# Altium PCB RTM_SFP.PcbDoc (part 6 of 7) (continued)
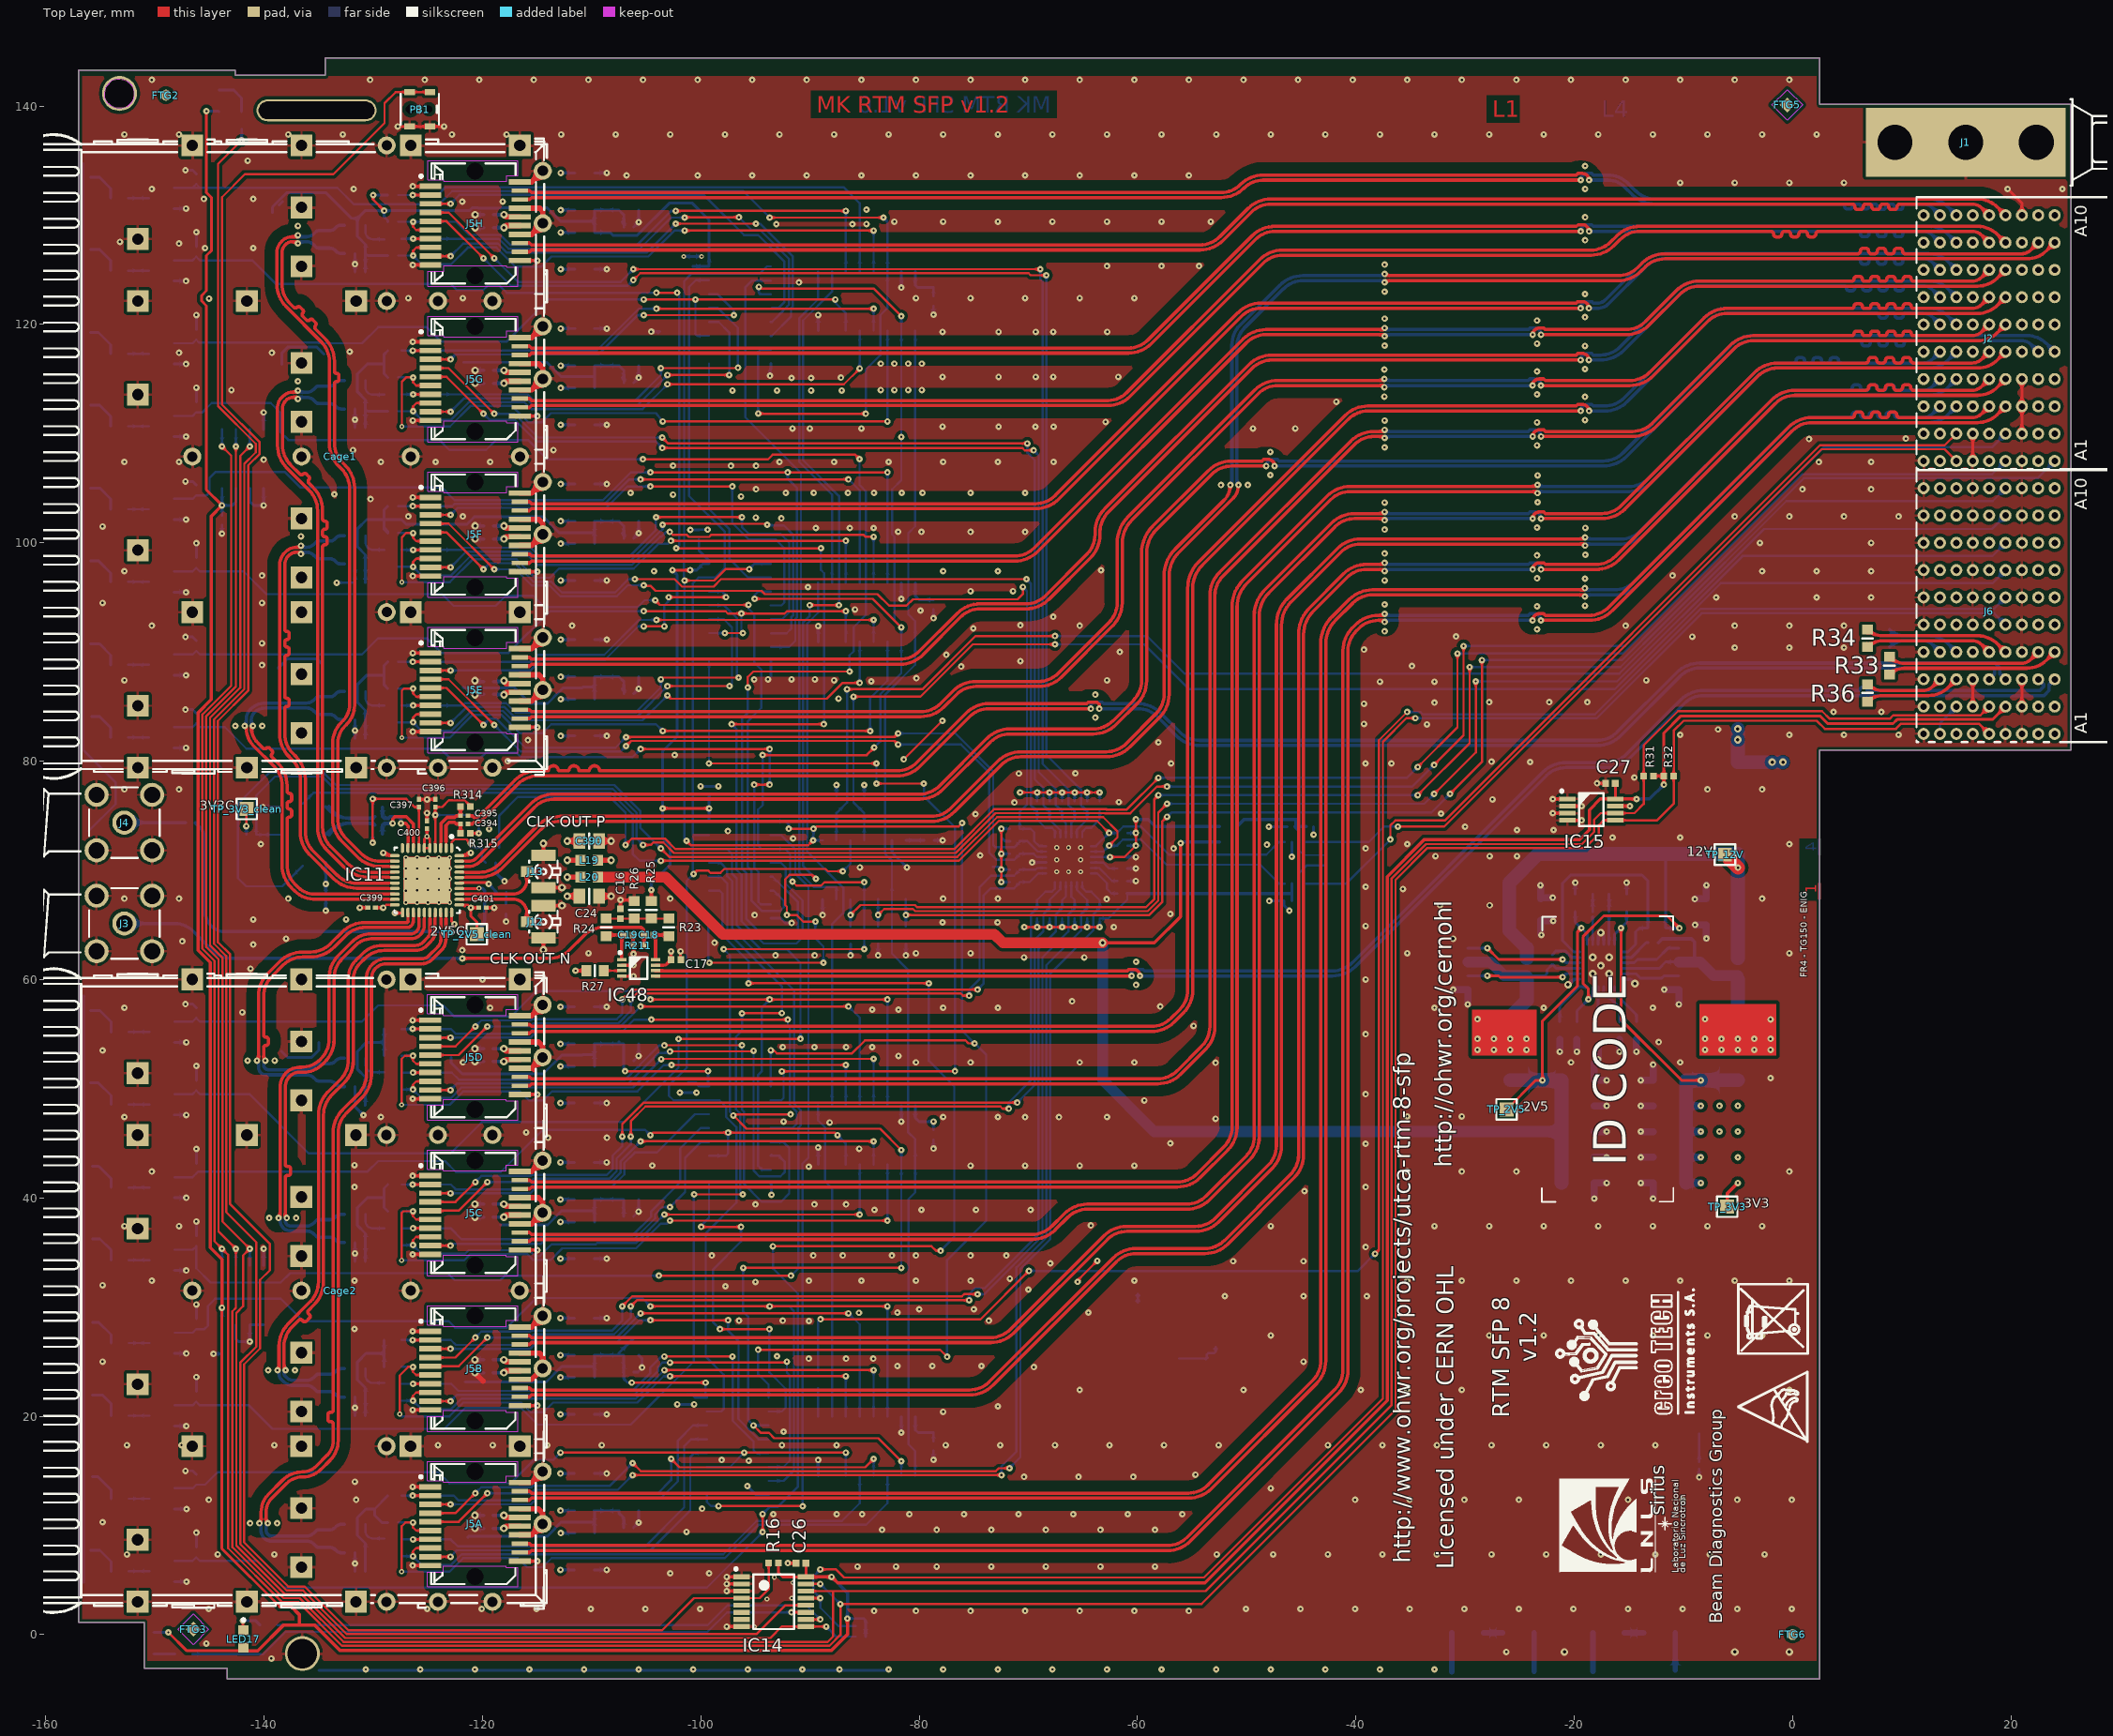
[diagram p0: Top Layer view]
## Nets (pads, with @x,y where several pads share a name; then routed paths per layer and width w, separated by ;. In a path a pad name is that pad's centre, name@x,y a point inside that pad or via, vN(x,y) a via of type N, cw(c..) or ccw(c..) an arc to the next point about the centre after c; other vN are vias at no path point) (continued)
SFP_LOS6: IC7.5 J5C.8 R404C.1 | length 51
  Top Layer w0.203: v1(-126.377,35.675) -126.377,36.121 -126.072,36.426 J5C.8@-124.79,36.426 ; v1(-103.35,38.477) v1(-85.45,38.477)
  Bottom Layer w0.203: -127.414,35.675 v1(-126.377,35.675) -125.592,34.89 -121.584,34.89 -121.263,35.211 -115.749,35.211 -115.211,34.672 -114.752,34.672 -113.685,35.739 -109.62,35.739 -109.5,35.859 -105.965,35.859 -103.35,38.475 v1(-103.35,38.477) ; v1(-85.45,38.477) IC7.5@-85.45,43.056
SFP_LOS7: IC9.13 J5B.8 R404B.1 | length 51.5
  Top Layer w0.203: v1(-126.377,21.425) -126.377,21.871 -126.072,22.176 J5B.8@-124.79,22.176 ; v1(-103.35,24.227) v1(-84.18,24.227)
  Bottom Layer w0.203: -127.414,21.425 v1(-126.377,21.425) -125.592,20.64 -122.891,20.64 -121.921,21.609 -107.08,21.609 -105.965,21.609 -103.35,24.225 v1(-103.35,24.227) ; IC9.13@-84.18,19.956 v1(-84.18,24.227)
SFP_LOS8: IC9.5 J5A.8 R404A.1 | length 49.3
  Top Layer w0.203: v1(-126.377,7.175) -126.377,7.621 -126.072,7.926 J5A.8@-124.79,7.926
  Bottom Layer w0.203: -127.414,7.175 v1(-126.377,7.175) -125.592,6.39 -122.891,6.39 -121.921,7.359 -97.945,7.359 -94.899,10.405 -87.085,10.405 -85.45,12.04 IC9.5@-85.45,14.556
SFP_RS0_1: IC3.5 R107H.2 | length 41.5
  Top Layer w0.203: v1(-101.48,129.79) -101.445,129.825 v1(-96.525,129.825)
  Bottom Layer w0.203: R107H.2@-123.715,127.85 -118.523,127.85 -117.607,126.935 -105.59,126.935 -102.735,129.79 v1(-101.48,129.79) ; v1(-96.525,129.825) -95.373,128.673 -94.598,128.673 -91.934,126.009 -91.934,123.473 -91.93,123.469 -91.93,121.801 -92.095,121.636 ; IC3.5@-93.6,120.24 -93.492,120.24 -92.78,120.951 -92.095,121.636
SFP_RS0_2: IC3.13 R107G.2 | length 36.1
  Top Layer w0.203: v1(-103.66,116) v1@-96.675,116
  Bottom Layer w0.203: R107G.2@-123.715,113.6 -115.882,113.6 -115.233,112.951 -106.082,112.951 -103.66,115.373 v1(-103.66,116) v1@-103.714,115.946 ; IC3.13@-99.25,121.51 -98.435,121.51 -96.6,119.675 v1(-96.6,116.025)
SFP_RS0_3: IC4.5 R107F.2 | length 44.2
  Top Layer w0.203: v1(-104.115,102.35) v1(-96.235,102.35)
  Bottom Layer w0.203: R107F.2@-123.715,99.35 -121.93,99.35 -121.724,99.556 -115.563,99.556 -114.707,98.701 -106.589,98.701 -104.115,101.175 v1(-104.115,102.35) ; v1(-96.235,102.35) -96.235,101.453 -95.594,100.813 -92.71,100.813 -91.913,100.016 -91.914,93.646 -92.558,93.001 IC4.5@-93.575,93.001
SFP_RS0_4: IC4.13 R107E.2 | length 37.9
  Top Layer w0.203: v1(-103.66,87.5) -103.51,87.65 v1(-96.545,87.65)
  Bottom Layer w0.203: R107E.2@-123.715,85.1 -121.833,85.1 -121.616,85.316 -117.836,85.316 -116.971,84.451 -105.989,84.451 -103.66,86.78 v1(-103.66,87.5) ; IC4.13@-99.25,94.271 -97.878,94.271 -96.705,93.098 -96.705,87.81 v1(-96.545,87.65)
SFP_RS0_5: IC6.5 R107D.2 | length 53.1
  Top Layer w0.203: v1(-103.35,53.97) -103.343,53.978 v1(-96.23,53.978)
  Bottom Layer w0.203: R107D.2@-123.729,51.47 -122.81,51.47 -122.161,50.821 -106.959,50.821 -106.737,51.043 -106.714,51.043 -106.39,51.368 -106.39,51.39 -105.804,51.976 -105.735,51.976 -105.586,52.125 -105.586,52.194 -103.81,53.97 v1(-103.35,53.97) ; v1(-96.23,53.978) -96.23,48.062 -96.04,47.872 -96.04,41.262 -94.44,39.662 -92.648,39.662 -91.911,40.4 -91.911,44.565 -92.467,45.121 IC6.5@-93.6,45.121
SFP_RS0_6: IC6.13 R107C.2 | length 31.2
  Bottom Layer w0.203: R107C.2@-123.729,37.22 -122.93,37.22 -121.929,36.219 -114.852,36.219 -114.5,36.571 -106.259,36.571 -104.545,38.285 -104.545,38.774 -101.905,41.415 -101.905,44.501 -100.014,46.391 IC6.13@-99.25,46.391
SFP_RS0_7: IC8.5 R107B.2 | length 39.4
  Top Layer w0.203: v1(-103.35,25.47) -103.342,25.479 v1(-97.1,25.479)
  Bottom Layer w0.203: R107B.2@-123.729,22.97 -122.86,22.97 -122.211,22.321 -106.259,22.321 -104.63,23.95 -104.63,24.465 -103.625,25.47 v1(-103.35,25.47) ; v1(-97.1,25.479) -97.1,19.6 -95.175,17.675 -95.175,16.895 -94.901,16.621 IC8.5@-93.8,16.621
SFP_RS0_8: IC8.13 R107A.2 | length 31.9
  Bottom Layer w0.203: R107A.2@-123.729,8.72 -122.91,8.72 -122.261,8.071 -105.104,8.071 -101.525,11.65 -101.525,17.25 -100.884,17.891 IC8.13@-99.45,17.891
SFP_RS1_1: IC3.6 J5H.9 | length 44.5
  Top Layer w0.203: J5H.9@-124.775,126.256 v1(-122.924,126.256) ; v1(-102.31,129.227) v1(-94.965,129.227)
  Bottom Layer w0.203: v1(-122.924,126.256) -121.771,127.409 -118.584,127.409 -117.754,126.579 -104.958,126.579 v1(-102.31,129.227) ; v1@-94.95,129.225 -94.57,129.225 -91.575,126.23 -91.575,124.083 -91.579,124.079 -91.579,123.621 -91.575,123.617 -91.575,121.654 -91.74,121.489 -91.74,120.721 -93.516,118.945 IC3.6@-93.6,118.945
SFP_RS1_2: IC3.12 J5G.9 | length 35.5
  Top Layer w0.203: J5G.9@-124.775,112.006 v1(-122.924,112.006) ; v1(-103.06,115.37) v1@-97.4,115.37
  Bottom Layer w0.203: v1(-122.924,112.006) -121.686,113.244 -116.029,113.244 -115.38,112.595 -105.835,112.595 v1(-103.06,115.37) ; IC3.12@-99.25,120.24 -98.371,120.24 -97.4,119.269 v1(-97.4,115.375)
SFP_RS1_3: IC4.6 J5F.9 | length 47
  Top Layer w0.203: J5F.9@-124.775,97.756 v1(-122.924,97.756) ; v1(-103.51,101.663) -103.414,101.759 -99.147,101.759 -99.135,101.747 -94.014,101.747 v1(-93.929,101.663)
  Bottom Layer w0.203: v1(-122.924,97.756) -121.479,99.201 -115.71,99.201 -114.854,98.345 -106.442,98.345 -103.695,101.093 -103.624,101.093 -103.51,101.206 v1(-103.51,101.663) ; v1(-93.929,101.663) -93.869,101.603 -92.405,101.603 -92.403,101.605 -91.558,100.76 -91.558,93.35 -91.705,93.202 -91.705,92.163 -92.148,91.719 -93.563,91.719 IC4.6@-93.575,91.731
SFP_RS1_4: IC4.12 J5E.9 | length 37.4
  Top Layer w0.203: J5E.9@-124.775,83.506 v1(-122.924,83.506) ; v1(-103.06,86.87) -103.048,86.882 v1(-97.384,86.882)
  Bottom Layer w0.203: v1(-122.924,83.506) -121.469,84.961 -117.984,84.961 -117.118,84.095 -105.835,84.095 v1(-103.06,86.87) ; IC4.12@-99.25,93.001 -97.904,93.001 -97.15,92.247 -97.15,87.115 v1(-97.384,86.882)
SFP_RS1_5: IC6.6 J5D.9 | length 47.9
  Top Layer w0.203: J5D.9@-124.79,49.876 v1(-122.938,49.876) ; v1(-102.83,53.41) -102.816,53.424 -95.226,53.424 v1(-95.175,53.475)
  Bottom Layer w0.203: v1(-122.938,49.876) -122.349,50.465 -106.671,50.465 -103.854,53.281 -102.959,53.281 v1(-102.83,53.41) ; v1(-95.175,53.475) -95.175,42.5 -94.652,41.977 -92.698,41.977 -92.325,42.35 -92.325,43.328 -92.848,43.851 IC6.6@-93.6,43.851 IC6.6@-93.509,43.942
SFP_RS1_6: IC6.12 J5C.9 | length 31.5
  Top Layer w0.203: J5C.9@-124.79,35.626 v1(-122.938,35.626)
  Bottom Layer w0.203: v1(-122.938,35.626) -122.784,35.78 -114.685,35.78 -114.25,36.215 -106.7,36.215 -106.112,36.215 -104.169,38.159 ; -104.19,38.18 -104.19,38.49 -103.52,39.16 v1(-102.83,39.16) -101.448,40.542 -101.448,43.663 -99.989,45.121 IC6.12@-99.25,45.121
SFP_RS1_7: IC8.6 J5B.9 | length 45.7
  Top Layer w0.203: J5B.9@-124.79,21.376 v1(-122.938,21.376) ; v1(-102.83,24.91) -102.815,24.925 -92.2,24.925 v1(-92.125,25)
  Bottom Layer w0.203: v1(-122.938,21.376) -122.349,21.965 -106.7,21.965 -106.112,21.965 -103.904,24.173 -103.904,24.526 -103.52,24.91 v1(-102.83,24.91) ; IC8.6@-93.8,15.351 -92.45,15.351 -91.85,15.951 -91.85,23.725 -92.125,24 v1(-92.125,25)
SFP_RS1_8: IC8.12 J5A.9 | length 32.1
  Top Layer w0.203: J5A.9@-124.79,7.126 v1(-122.938,7.126)
  Bottom Layer w0.203: v1(-122.938,7.126) -122.349,7.715 -104.635,7.715 -100.975,11.375 -100.975,16.275 -100.629,16.621 IC8.12@-99.45,16.621
SFP_SYNCE_REFCLKA: J5A.7 R107A.1 R109A.2 | length 3.7
  Top Layer w0.203: v1(-126.377,8.72) J5A.7@-124.796,8.72
  Bottom Layer w0.203: R109A.2@-127.414,8.72 v1(-126.377,8.72) R107A.1@-125.329,8.72
SFP_SYNCE_REFCLKB: J5B.7 R107B.1 R109B.2 | length 3.7
  Top Layer w0.203: v1(-126.377,22.97) J5B.7@-124.796,22.97
  Bottom Layer w0.203: R109B.2@-127.414,22.97 v1(-126.377,22.97) R107B.1@-125.329,22.97
SFP_SYNCE_REFCLKC: J5C.7 R107C.1 R109C.2 | length 3.7
  Top Layer w0.203: v1(-126.377,37.22) J5C.7@-124.796,37.22
  Bottom Layer w0.203: R109C.2@-127.414,37.22 v1(-126.377,37.22) R107C.1@-125.329,37.22
SFP_SYNCE_REFCLKD: J5D.7 R107D.1 R109D.2 | length 3.7
  Top Layer w0.203: v1(-126.377,51.47) J5D.7@-124.796,51.47
  Bottom Layer w0.203: R109D.2@-127.414,51.47 v1(-126.377,51.47) R107D.1@-125.329,51.47
SFP_SYNCE_REFCLKE: J5E.7 R107E.1 R109E.2 | length 3.7
  Top Layer w0.203: v1(-126.363,85.1) J5E.7@-124.782,85.1
  Bottom Layer w0.203: R109E.2@-127.4,85.1 v1(-126.363,85.1) R107E.1@-125.315,85.1
SFP_SYNCE_REFCLKF: J5F.7 R107F.1 R109F.2 | length 3.7
  Top Layer w0.203: v1(-126.363,99.35) J5F.7@-124.782,99.35
  Bottom Layer w0.203: R109F.2@-127.4,99.35 v1(-126.363,99.35) R107F.1@-125.315,99.35
SFP_SYNCE_REFCLKG: J5G.7 R107G.1 R109G.2 | length 3.7
  Top Layer w0.203: v1(-126.363,113.6) J5G.7@-124.782,113.6
  Bottom Layer w0.203: R109G.2@-127.4,113.6 v1(-126.363,113.6) R107G.1@-125.315,113.6
SFP_SYNCE_REFCLKH: J5H.7 R107H.1 R109H.2 | length 3.7
  Top Layer w0.203: v1(-126.363,127.85) J5H.7@-124.782,127.85
  Bottom Layer w0.203: R109H.2@-127.4,127.85 v1(-126.363,127.85) R107H.1@-125.315,127.85
SFP_TXDISABLE1: IC3.4 J5H.3 | length 40.3
  Top Layer w0.203: J5H.3@-124.775,131.056 v1(-122.924,131.056)
  Bottom Layer w0.203: v1(-122.924,131.056) -122.12,131.86 -99.725,131.86 -96.041,128.176 -94.751,128.176 -92.375,125.8 -92.375,122.025 -92.89,121.51 IC3.4@-93.492,121.51
SFP_TXDISABLE2: IC3.14 J5G.3 | length 32.8
  Top Layer w0.203: J5G.3@-124.775,116.806 v1(-122.924,116.806) ; v1(-105.24,120.855) v1@-96.975,120.847
  Bottom Layer w0.203: v1(-122.924,116.806) -122.479,117.251 -109.386,117.251 -105.782,120.855 v1(-105.24,120.855) ; IC3.14@-99.25,122.78 -98.48,122.78 -96.975,121.275 v1(-96.975,120.85)
SFP_TXDISABLE3: IC4.4 J5F.3 | length 44.1
  Top Layer w0.203: J5F.3@-124.775,102.556 v1(-122.924,102.556) ; v1(-104.62,105.17) v1(-97.125,105.17)
  Bottom Layer w0.203: v1(-122.924,102.556) -122.281,103.199 -108.676,103.199 -106.705,105.17 v1(-104.62,105.17) ; v1(-97.125,105.17) -97.125,101.822 -95.608,100.305 -93.142,100.305 -92.358,99.521 -92.358,94.535 -92.622,94.271 IC4.4@-93.6,94.271
SFP_TXDISABLE4: IC4.14 J5E.3 | length 33.2
  Top Layer w0.203: J5E.3@-124.775,88.306 v1(-122.924,88.306) ; v1(-105.24,92.355) -105.235,92.35 v1(-103.353,92.35) ; v1(-102.946,95.02) v1(-97.688,95.02)
  Bottom Layer w0.203: v1(-122.924,88.306) -115.614,88.306 -114.66,89.26 -108.81,89.26 -105.715,92.355 v1(-105.24,92.355) ; v1(-103.353,92.35) -103.353,94.271 -102.775,94.849 v1(-102.946,95.02) ; IC4.14@-99.25,95.541 -98.06,95.541 -97.688,95.17 v1(-97.688,95.02)
SFP_TXDISABLE5: IC6.4 J5D.3 | length 45.9
  Top Layer w0.203: J5D.3@-124.79,54.676 v1(-122.938,54.676) ; v1(-104.544,56.33) v1(-92.04,56.33)
  Bottom Layer w0.203: v1(-122.938,54.676) -115.628,54.676 -115.014,55.29 -107.143,55.29 -106.103,56.33 v1(-104.544,56.33) ; IC6.4@-93.6,46.391 -91.618,46.391 -91.218,46.792 -91.218,47.89 -91.85,48.522 -91.85,55.55 -92.04,55.74 v1(-92.04,56.33)
SFP_TXDISABLE6: IC6.14 J5C.3 | length 29.1
  Top Layer w0.203: J5C.3@-124.79,40.426 v1(-122.938,40.426)
  Bottom Layer w0.203: v1(-122.938,40.426) -115.628,40.426 -115.014,41.04 -108.12,41.04 -107.009,42.151 -107.009,43.188 -106.047,44.15 -104.05,44.15 -100.539,47.661 IC6.14@-99.25,47.661
SFP_TXDISABLE7: IC8.4 J5B.3 | length 41.4
  Top Layer w0.203: J5B.3@-124.79,26.176 v1(-122.938,26.176) ; v1(-104.62,28.79) v1(-97.505,28.79)
  Bottom Layer w0.203: v1(-122.938,26.176) -115.628,26.176 -115.014,26.79 -107.65,26.79 -105.65,28.79 v1(-104.62,28.79) ; v1(-97.505,28.79) -97.505,27.83 -96.546,26.871 -96.546,24.409 -96.575,24.38 -96.575,19.75 -94.716,17.891 IC8.4@-93.8,17.891
SFP_TXDISABLE8: IC8.14 J5A.3 | length 30.5
  Top Layer w0.203: J5A.3@-124.79,11.926 v1(-122.938,11.926)
  Bottom Layer w0.203: v1(-122.938,11.926) -122.936,11.925 -115.58,11.925 -114.96,12.544 -103.606,12.544 -102.1,14.05 -102.1,17.775 -100.714,19.161 IC8.14@-99.45,19.161
SFP_TXFAULT1: IC2.12 J5H.2 R400H.1 | length 51
  Top Layer w0.203: v1(-126.384,131.856) J5H.2@-124.775,131.856
  Bottom Layer w0.203: R400H.1@-127.73,131.85 -127.1,131.85 v1@-126.39,131.85 ; v1(-126.384,131.856) -124.104,131.856 -123.389,132.571 -86.931,132.571 -85.45,131.09 IC2.12@-85.45,124.836
SFP_TXFAULT2: IC2.4 J5G.2 R400G.1 | length 48.3
  Top Layer w0.203: v1(-126.384,117.606) J5G.2@-124.775,117.606 ; v1(-104.08,121.44) v1(-84.18,121.44)
  Bottom Layer w0.203: -127.4,117.6 v1@-126.39,117.6 ; v1(-126.384,117.606) -109.534,117.606 -105.7,121.44 v1(-104.08,121.44) ; IC2.4@-84.18,119.436 v1@-84.18,121.34
SFP_TXFAULT3: IC5.12 J5F.2 R400F.1 | length 53.8
  Top Layer w0.203: v1(-126.384,103.356) J5F.2@-124.775,103.356 ; v1(-105.52,105.81) v1(-86.48,105.81)
  Bottom Layer w0.203: R400F.1@-127.73,103.35 v1@-126.39,103.35 ; v1(-126.384,103.356) -122.764,103.356 -122.565,103.555 -108.823,103.555 -106.567,105.81 v1(-105.52,105.81) ; v1(-86.48,105.81) -85.45,104.779 IC5.12@-85.45,96.336
SFP_TXFAULT4: IC5.4 J5E.2 R400E.1 | length 49.7
  Top Layer w0.203: v1(-126.384,89.106) J5E.2@-124.775,89.106 ; v1(-104.08,92.94) v1(-84.18,92.94)
  Bottom Layer w0.203: R400E.1@-127.73,89.1 -127.724,89.106 v1(-126.384,89.106) -115.574,89.106 -114.94,89.74 -108.85,89.74 -105.65,92.94 v1(-104.08,92.94) ; -127.4,89.1 v1@-126.39,89.1 ; IC5.4@-84.18,90.936 v1@-84.18,92.84
SFP_TXFAULT5: IC7.12 J5D.2 R400D.1 | length 53.3
  Top Layer w0.203: v1(-126.398,55.476) J5D.2@-124.79,55.476 ; v1(-105.52,57.53) v1(-86.48,57.53)
  Bottom Layer w0.203: -127.414,55.47 v1@-126.404,55.47 ; v1(-126.398,55.476) -122.905,55.476 -122.46,55.032 -115.775,55.032 -115.161,55.645 -107.404,55.645 v1(-105.52,57.53) ; v1(-86.48,57.53) -85.45,56.5 IC7.12@-85.45,48.456
SFP_TXFAULT6: IC7.4 J5C.2 R400C.1 | length 49.6
  Top Layer w0.203: v1(-126.398,41.226) J5C.2@-124.79,41.226 ; v1(-105.52,45.18) v1(-84.18,45.18)
  Bottom Layer w0.203: -127.414,41.22 v1@-126.404,41.22 ; v1(-126.398,41.226) -122.905,41.226 -122.46,40.782 -115.775,40.782 -115.161,41.395 -108.267,41.395 -107.365,42.298 -107.365,43.335 v1(-105.52,45.18) ; IC7.4@-84.18,43.056 v1(-84.18,45.18)
SFP_TXFAULT7: IC9.12 J5B.2 R400B.1 | length 53.8
  Top Layer w0.203: v1(-126.398,26.976) J5B.2@-124.79,26.976 ; v1(-105.52,29.43) v1(-86.48,29.43)
  Bottom Layer w0.203: -127.414,26.97 v1@-126.404,26.97 ; v1(-126.398,26.976) -122.905,26.976 -122.46,26.532 -115.775,26.532 -115.161,27.145 -107.804,27.145 v1(-105.52,29.43) ; v1(-86.48,29.43) -85.45,28.4 IC9.12@-85.45,19.956
SFP_TXFAULT8: IC9.4 J5A.2 R400A.1 | length 49.9
  Top Layer w0.203: v1(-126.398,12.726) J5A.2@-124.79,12.726 ; v1(-102.72,16.09) -101.951,15.321 -84.949,15.321 v1(-84.18,16.09)
  Bottom Layer w0.203: -127.414,12.72 v1@-126.404,12.72 ; v1(-126.398,12.726) -122.626,12.726 -122.182,12.282 ; -122.18,12.28 -122.182,12.282 ; v1(-102.72,16.09) -102.72,14.15 -103.971,12.899 -115.108,12.899 -115.725,12.282 -122.182,12.282 ; IC9.4@-84.18,14.556 v1(-84.18,16.09)
SI_CLK_N: C393.2 OSC1.5 | length 7.1
  Bottom Layer w0.305: OSC1.5@-134.36,73.27 -134.064,73.566 cw(c-132.268,71.77) -133.298,74.092 cw(c-132.268,71.77) -132.268,74.31 -130.01,74.31 C393.2@-129.86,74.16 ; OSC1.5@-134.06,73.224 cw(c-132.13,72.045) -132.267,74.302
SI_CLK_P: C392.2 OSC1.4 | length 7.1
  Bottom Layer w0.305: OSC1.4@-134.36,75.81 -134.061,75.511 ccw(c-132.265,77.307) -133.314,74.994 ccw(c-132.265,77.307) -132.265,74.767 -130.013,74.767 C392.2@-129.86,74.92 ; OSC1.4@-134.059,75.845 ccw(c-132.159,76.983) -132.264,74.77
SYNC_CLK_N: C395.2 J6.D3 | length 151
  Top Layer w0.305: C395.2@-121.32,75 -120.941,75 -120.794,74.854 -120.683,74.854 ccw(c-120.683,75.41) -120.29,75.016 -117.07,78.237 cw(c-114.962,76.129) -114.962,79.11 -113.979,79.11 cw(c-113.509,79.11) -113.039,79.11 -112.099,79.11 cw(c-111.629,79.11) -111.159,79.11 -110.22,79.11 cw(c-109.75,79.11) -109.28,79.11 -82.047,79.11 ccw(c-82.047,81.65) -80.251,79.854 -75.699,84.406 cw(c-73.624,82.331) -73.624,85.265 -64.668,85.265 -64.521,85.412 -63.712,85.412 -63.51,85.21 v1(-63.51,84.808)
  Bottom Layer w0.305: v1(-63.51,84.808) -59.976,84.808 cw(c-59.976,82.268) -58.18,84.064 -56.432,82.315 ccw(c-54.325,84.422) -54.325,81.443 -17.882,81.443 ccw(c-17.882,84.424) -15.774,82.316 -10.304,87.786 cw(c-8.508,85.99) -8.508,88.53 18.34,88.53 18.51,88.36 18.51,88.01 J6.D3@18,87.5
SYNC_CLK_P: C394.2 J6.C3 | length 150.1
  Top Layer w0.305: C394.2@-121.32,74.25 -120.941,74.25 -120.794,74.396 -120.656,74.396 ccw(c-120.656,75.344) -119.986,74.674 -116.751,77.909 cw(c-114.955,76.113) -114.955,78.653 -82.023,78.653 ccw(c-82.023,81.592) -79.944,79.514 -75.394,84.064 cw(c-73.598,82.268) -73.598,84.808 v1(-64.27,84.808)
  Bottom Layer w0.305: v1(-64.27,84.808) -64.27,85.17 -64.028,85.412 -63.259,85.412 -63.112,85.265 -59.972,85.265 cw(c-59.972,82.279) -57.86,84.39 -56.114,82.644 ccw(c-54.318,84.44) -54.318,81.9 -17.889,81.9 ccw(c-17.889,84.44) -16.093,82.644 -10.622,88.115 cw(c-8.516,86.009) -8.516,88.987 18.529,88.987 18.967,88.549 18.967,88.033 J6.C3@19.5,87.5
pads on no net: FTG1.1 FTG2.FTG2 FTG3.1 FTG4.FTG2 FTG5.1 FTG6.FTG2 FTG7.1 FTG8.FTG2 IC1.12 IC2.7 IC3.10 IC4.10 IC5.7 IC6.10 IC7.7 IC8.10 IC9.7 IC10.10 IC11.10 IC14.5 IC14.6 IC14.7 J2.A3 J2.A4 J2.A6 J2.A7 J2.A8 J2.A10 J2.B1 J2.B2 J2.B3 J2.B4 J2.B6 J2.B7 J2.B8 J2.B10 J2.D1 J2.D2 J2.F1 J2.F2 J5A.MTG1 J5A.MTG2 J5B.MTG1 J5B.MTG2 J5C.MTG1 J5C.MTG2 J5D.MTG1 J5D.MTG2 J5E.MTG1 J5E.MTG2 J5F.MTG1 J5F.MTG2 J5G.MTG1 J5G.MTG2 J5H.MTG1 J5H.MTG2 J6.A8 J6.A9 J6.A10 J6.B7 J6.B8 J6.B9 J6.B10 J6.D5 J6.D6 J6.D7 J6.D8 J6.D9 J6.D10 J6.E1 J6.F2 LD1A.3 LD1B.3 LD1C.3 LD1D.3 LD1E.3 LD1F.3 LD1G.3 LD1H.3 LD2A.3 LD2B.3 LD2C.3 LD2D.3 LD2E.3 LD2F.3 LD2G.3 LD2H.3 LDx.3 LDy.3 OSC1.1 PB1.5 PB1.10
copper on no net: | length 1178.6
  Top Layer w0.25: 2.47,67.405 2.47,68.78
  Top Layer w0.45: 62.805,103.475 287.675,103.475 ; 62.805,111.305 287.675,111.305 ; 60.51,3.93 ccw(c63.01,3.93) 63.01,1.43 287.47,1.43 ccw(c287.47,3.93) 289.97,3.93 289.97,134.69 ccw(c287.47,134.69) 287.47,137.19 63.01,137.19 ccw(c63.01,134.69) 60.51,134.69 60.51,3.93
  Bottom Layer w0.25: 2.47,71.444 2.47,72.819

## Polygon pours and split planes (outlines as drawn)
GND on Top Layer "Top Layer-GND" (solid, remove dead copper, pour order 19): -157,142.72 2.5,142.72 2.499,140.161 25.499,140.161 25.499,81.012 2.499,81.012 2.499,-2.4 -151.001,-2.4 -151.001,1.111 -157,1.111
P3V3 on Bottom Layer "Bottom Layer-GND" (solid, remove dead copper, pour order 18): -157,142.72 2.499,142.72 2.499,140.161 25.499,140.161 25.499,81.012 2.499,81.012 2.5,-2.4 -151.001,-2.4 -151.001,1.111 -157,1.111
NetC11_1 on Bottom Layer "Bottom Layer-NetC11_1" (solid, remove dead copper, pour order 16): -8.53,53.05 -8.53,57.78 -1.51,57.78 -1.51,53.05
NetC280_1 on Bottom Layer "Bottom Layer-NetC280_1" (solid, remove dead copper, pour order 15): -29.38,53.05 -29.38,57.78 -23.47,57.78 -23.47,53.05
P2V5 on Bottom Layer "Bottom Layer-P2V5" (solid, remove dead copper, pour order 14): -27.864,51.97 -20.37,51.97 -19.67,51.27 -19.67,40.87 -20.07,40.47 -21.74,40.47 -26.67,40.47 -27.864,41.664
P3V3 on Bottom Layer "Bottom Layer-P3V3" (solid, remove dead copper, pour order 17): -3.32,51.97 -10.52,51.97 -11.22,51.27 -11.22,40.87 -10.82,40.47 -9.15,40.47 -4.22,40.47 -3.32,41.37 -3.32,51.97
NetF1_1 on MidPlane_1 (split plane): 24.988,81.522 2.499,81.522 2.399,81.512 2.304,81.483 2.215,81.436 2.138,81.373 2.074,81.295 2.027,81.207 1.998,81.111 1.988,81.012 1.988,75.517 -6.663,75.517 -8.736,77.59 -8.736,84.443 -5.808,87.371 24.988,87.371
GND on MidPlane_1 (split plane): 176 vertices, not listed, extent -156.49,-3.578 24.988,143.902
NetC219G_1 on MidPlane_2 (split plane): -110.779,114.626 -110.779,110.424 -111.214,109.99 -118.896,109.99 -119.321,110.414 -119.321,114.652 -118.912,115.061 -111.214,115.061
NetC214G_1 on MidPlane_2 (split plane): -110.779,119.976 -110.779,115.774 -111.234,115.32 -118.892,115.32 -119.321,115.748 -119.321,119.986 -118.896,120.411 -111.214,120.411
NetC214F_1 on MidPlane_2 (split plane): -110.779,105.726 -110.779,101.524 -111.234,101.069 -118.892,101.069 -119.321,101.498 -119.321,105.736 -118.896,106.161 -111.214,106.161
NetC214H_1 on MidPlane_2 (split plane): -110.779,134.226 -110.779,130.024 -111.234,129.57 -118.892,129.57 -119.321,129.998 -119.321,134.236 -118.896,134.661 -111.214,134.661
NetC219H_1 on MidPlane_2 (split plane): -110.779,128.876 -110.779,124.674 -111.214,124.24 -118.896,124.24 -119.321,124.664 -119.321,128.902 -118.912,129.311 -111.214,129.311
NetC214E_1 on MidPlane_2 (split plane): -110.779,91.476 -110.779,87.274 -111.234,86.819 -118.892,86.819 -119.321,87.248 -119.321,91.486 -118.896,91.911 -111.214,91.911
NetC219F_1 on MidPlane_2 (split plane): -110.779,100.376 -110.779,96.174 -111.214,95.739 -118.896,95.739 -119.321,96.164 -119.321,100.402 -118.912,100.811 -111.214,100.811
NetC219E_1 on MidPlane_2 (split plane): -110.779,86.126 -110.779,81.924 -111.214,81.489 -118.896,81.489 -119.321,81.914 -119.321,86.152 -118.912,86.561 -111.214,86.561
NetC214D_1 on MidPlane_2 (split plane): -110.794,57.846 -110.794,53.643 -111.248,53.189 -118.906,53.189 -119.335,53.618 -119.335,57.856 -118.911,58.28 -111.228,58.28
NetC214B_1 on MidPlane_2 (split plane): -110.794,29.346 -110.794,25.143 -111.248,24.689 -118.906,24.689 -119.335,25.118 -119.335,29.356 -118.911,29.78 -111.228,29.78
P2V5_CLEAN on MidPlane_2 (split plane): -117.772,70.068 -117.73,70.04 -117.68,70.031 -111.064,70.031 -110.359,69.326 -110.359,66.814 -111.044,66.129 -129.176,66.129 -129.681,66.634 -129.681,72.606 -128.586,73.701 -121.404,73.701
P3V3_CLEAN on MidPlane_2 (split plane): -114.612,73.378 -114.57,73.35 -114.52,73.341 -111.094,73.341 -110.369,72.616 -110.369,70.984 -111.064,70.289 -117.626,70.289 -121.258,73.922 -121.3,73.95 -121.35,73.959 -128.64,73.959 -128.69,73.95 -128.732,73.922 -129.902,72.752 -129.93,72.71 -129.939,72.66 -129.939,66.634 -130.444,66.129 -141.403,66.129 -142.271,66.997 -142.271,76.516 -140.916,77.871 -119.104,77.871
NetC219D_1 on MidPlane_2 (split plane): -110.794,52.496 -110.794,48.293 -111.228,47.859 -118.911,47.859 -119.335,48.283 -119.335,52.521 -118.926,52.93 -111.228,52.93
NetC214C_1 on MidPlane_2 (split plane): -110.794,43.596 -110.794,39.393 -111.248,38.939 -118.906,38.939 -119.335,39.368 -119.335,43.606 -118.911,44.03 -111.228,44.03
NetC219C_1 on MidPlane_2 (split plane): -110.794,38.246 -110.794,34.043 -111.228,33.609 -118.911,33.609 -119.335,34.033 -119.335,38.271 -118.926,38.68 -111.228,38.68
GND on MidPlane_2 (split plane): 172 vertices, not listed, extent -156.49,-3.578 24.988,143.902
NetC219A_1 on MidPlane_2 (split plane): -110.794,9.746 -110.794,5.543 -111.228,5.109 -118.911,5.109 -119.335,5.533 -119.335,9.771 -118.926,10.18 -111.228,10.18
NetC219B_1 on MidPlane_2 (split plane): -110.794,23.996 -110.794,19.793 -111.228,19.359 -118.911,19.359 -119.335,19.783 -119.335,24.021 -118.926,24.43 -111.228,24.43
NetC214A_1 on MidPlane_2 (split plane): -110.794,15.096 -110.794,10.893 -111.248,10.439 -118.906,10.439 -119.335,10.868 -119.335,15.106 -118.911,15.53 -111.228,15.53

## Keep-outs
Bottom Layer:
  lines w0.203: -49.875,104.175 -39.666,104.175 cw(c-39.666,102.809) -38.7,103.775 cw(c-39.605,102.87) -38.325,102.87 -38.325,92.493 ; -36.85,126.034 -23.018,126.034 ccw(c-23.018,128.574) -21.222,126.778 -21.169,126.831 ccw(c-22.965,128.627) -20.425,128.627 -20.425,133.3
Keep-Out Layer:
  the board outline again, w0.127

## Other copper
Top Layer:
  rectangle net NetC280_1: -29.38,53.05 -23.46,57.26
  rectangle net NetC11_1: -8.53,53.05 -1.51,57.78
  region net GND: -127.228,71.238 -127.228,66.942 -122.932,66.942 -122.932,71.238
  text "MK RTM SFP v1.2" at -89.4,139.4 h1.5
  text "L1" at -27.5,139 h1.5
  text "Layer Stack Up Detail for: RTM_SFP.PcbDoc" at 62.805,120.192 h5.35
  text "Layer" at 62.805,108.38 h1.8
  text "Gerber" at 111.169,108.38 h1.8
  text "Copper" at 135.462,108.38 h1.8
  text "Dielectric" at 162.693,108.38 h1.8
  text "Dielectric" at 191.184,108.38 h1.8
  text "Dielectric" at 227.053,108.38 h1.8
  text "Dielectric" at 255.544,108.38 h1.8
  text "Name" at 62.805,104.78 h1.8
  text "Document" at 111.169,104.78 h1.8
  text "Thickness" at 135.462,104.78 h1.8
  text "Height" at 162.693,104.78 h1.8
  text "Material" at 191.184,104.78 h1.8
  text "Constant" at 227.053,104.78 h1.8
  text "Type" at 255.544,104.78 h1.8
  text "Top Solder Mask" at 62.805,95.188 h2.5
  text "(.GTS)" at 111.169,95.188 h2.5
  text "0.0102mm" at 162.693,95.188 h2.5
  text "Solder Resist" at 191.184,95.188 h2.5
  text "3.50" at 227.053,95.188 h2.5
  text "Top Layer" at 62.805,79.065 h2.5
  text "(.GTL)" at 111.169,79.065 h2.5
  text "0.0356mm" at 135.462,79.065 h2.5
  text "0.36mm" at 162.693,71.003 h2.5
  text "FR-4" at 191.184,71.003 h2.5
  text "4.80" at 227.053,71.003 h2.5
  text "PrePreg" at 255.544,71.003 h2.5
  text "1" at 2.185,67.875 h1.02 r90
  text "MidPlane_1" at 62.805,62.942 h2.5
  text "(.GP1)" at 111.169,62.942 h2.5
  text "0.0356mm" at 135.462,62.942 h2.5
  text "0.71mm" at 162.693,54.88 h2.5
  text "FR-4" at 191.184,54.88 h2.5
  text "4.80" at 227.053,54.88 h2.5
  text "Core" at 255.544,54.88 h2.5
  text "MidPlane_2" at 62.805,46.818 h2.5
  text "(.GP2)" at 111.169,46.818 h2.5
  text "0.0356mm" at 135.462,46.818 h2.5
  text "0.36mm" at 162.693,38.757 h2.5
  text "FR-4" at 191.184,38.757 h2.5
  text "4.80" at 227.053,38.757 h2.5
  text "PrePreg" at 255.544,38.757 h2.5
  text "Bottom Layer" at 62.805,30.695 h2.5
  text "(.GBL)" at 111.169,30.695 h2.5
  text "0.0356mm" at 135.462,30.695 h2.5
  text "Bottom Solder Mask" at 62.805,14.572 h2.5
  text "(.GBS)" at 111.169,14.572 h2.5
  text "0.0102mm" at 162.693,14.572 h2.5
  text "Solder Resist" at 191.184,14.572 h2.5
  text "3.50" at 227.053,14.572 h2.5
Bottom Layer:
  text "MK RTM SFP v1.0" at -67.9,139.4 h1.5
  text "L4" at -17.5,139 h1.5
  text "4" at 2.16,72.596 h1.02 r90
MidPlane_2 (plane layer: these items are gaps in the copper):
  pour cut-out: -126.88,70.89 -123.28,70.89 -123.28,67.29 -126.88,67.29
  lines w0.25: 2.47,70.155 2.47,71.53
  lines w0.254: -118.969,10.32 -119.464,10.815 -119.464,15.16 -118.964,15.66 -111.174,15.66 -110.664,15.15 -110.664,10.84 -111.184,10.32 ; -118.969,24.57 -119.464,25.065 -119.464,29.41 -118.964,29.91 -111.174,29.91 -110.664,29.4 -110.664,25.09 -111.184,24.57 ; -118.969,38.82 -119.464,39.315 -119.464,43.66 -118.964,44.16 -111.174,44.16 -110.664,43.65 -110.664,39.34 -111.184,38.82 ; -118.969,53.07 -119.464,53.565 -119.464,57.91 -118.964,58.41 -111.174,58.41 -110.664,57.9 -110.664,53.59 -111.184,53.07 ; -118.955,86.7 -119.45,87.195 -119.45,91.54 -118.95,92.04 -111.16,92.04 -110.65,91.53 -110.65,87.22 -111.17,86.7 ; -118.955,100.95 -119.45,101.445 -119.45,105.79 -118.95,106.29 -111.16,106.29 -110.65,105.78 -110.65,101.47 -111.17,100.95 ; -118.955,115.2 -119.45,115.695 -119.45,120.04 -118.95,120.54 -111.16,120.54 -110.65,120.03 -110.65,115.72 -111.17,115.2 ; -118.955,129.45 -119.45,129.945 -119.45,134.29 -118.95,134.79 -111.16,134.79 -110.65,134.28 -110.65,129.97 -111.17,129.45 ; -129.81,66.58 -130.39,66 -141.457,66 -142.4,66.943 -142.4,76.57 -140.97,78 -119.05,78 -114.52,73.47 -111.04,73.47 -110.24,72.67 -110.24,70.93 -111.01,70.16 ; -129.81,66.58 -129.23,66 -110.99,66 -110.23,66.76 -110.23,69.38 -111.01,70.16 ; -129.81,66.58 -129.81,72.66 -128.64,73.83 -121.35,73.83 -117.68,70.16 -111.01,70.16 ; -119.464,5.48 -118.964,4.98 -111.174,4.98 -110.664,5.49 -110.664,9.8 -111.174,10.31 -118.979,10.31 -119.464,9.825 -119.464,5.48 ; -119.464,19.73 -118.964,19.23 -111.174,19.23 -110.664,19.74 -110.664,24.05 -111.174,24.56 -118.979,24.56 -119.464,24.075 -119.464,19.73 ; -119.464,33.98 -118.964,33.48 -111.174,33.48 -110.664,33.99 -110.664,38.3 -111.174,38.81 -118.979,38.81 -119.464,38.325 -119.464,33.98 ; -119.464,48.23 -118.964,47.73 -111.174,47.73 -110.664,48.24 -110.664,52.55 -111.174,53.06 -118.979,53.06 -119.464,52.575 -119.464,48.23 ; -119.45,81.86 -119.45,86.205 -118.965,86.69 -111.16,86.69 -110.65,86.18 -110.65,81.87 -111.16,81.36 -118.95,81.36 -119.45,81.86 ; -119.45,96.11 -118.95,95.61 -111.16,95.61 -110.65,96.12 -110.65,100.43 -111.16,100.94 -118.965,100.94 -119.45,100.455 -119.45,96.11 ; -119.45,110.36 -118.95,109.86 -111.16,109.86 -110.65,110.37 -110.65,114.68 -111.16,115.19 -118.965,115.19 -119.45,114.705 -119.45,110.36 ; -119.45,124.61 -118.95,124.11 -111.16,124.11 -110.65,124.62 -110.65,128.93 -111.16,129.44 -118.965,129.44 -119.45,128.955 -119.45,124.61
  text "L3" at -21,139 h1.5
  text "3" at 2.196,70.625 h1.02 r90
MidPlane_1 (plane layer: these items are gaps in the copper):
  pour cut-out: -58.83,25.64 -58.83,24.44 -57.63,24.44 -57.63,25.64
  lines w0.25: 2.47,68.78 2.47,70.155
  lines w0.254: 2.534,75.388 -6.716,75.388 -8.865,77.537 -8.865,84.496 -5.861,87.5 25.529,87.5
  text "L2" at -24.5,139 h1.5
  text "2" at 2.185,69.25 h1.02 r90
Multi-Layer:
  pour cut-out: 0.586,72.947 0.586,67.17 2.819,67.17 2.819,72.947